# Altium PCB PCB_15122020_01BC.PcbDoc (part 9 of 9)
Units mm, origin at the board's own origin, x right, y up, seen from the top; angles counter-clockwise.
Board outline 207.9 x 131.1 mm, 4 copper layers (Top Layer, Layer 1, Layer 2, Bottom Layer), stack 1.57 mm thick; 684 components, 706 nets, 2796 pads, 1697 vias.
Unrouted connection lines stored in the file: 3.
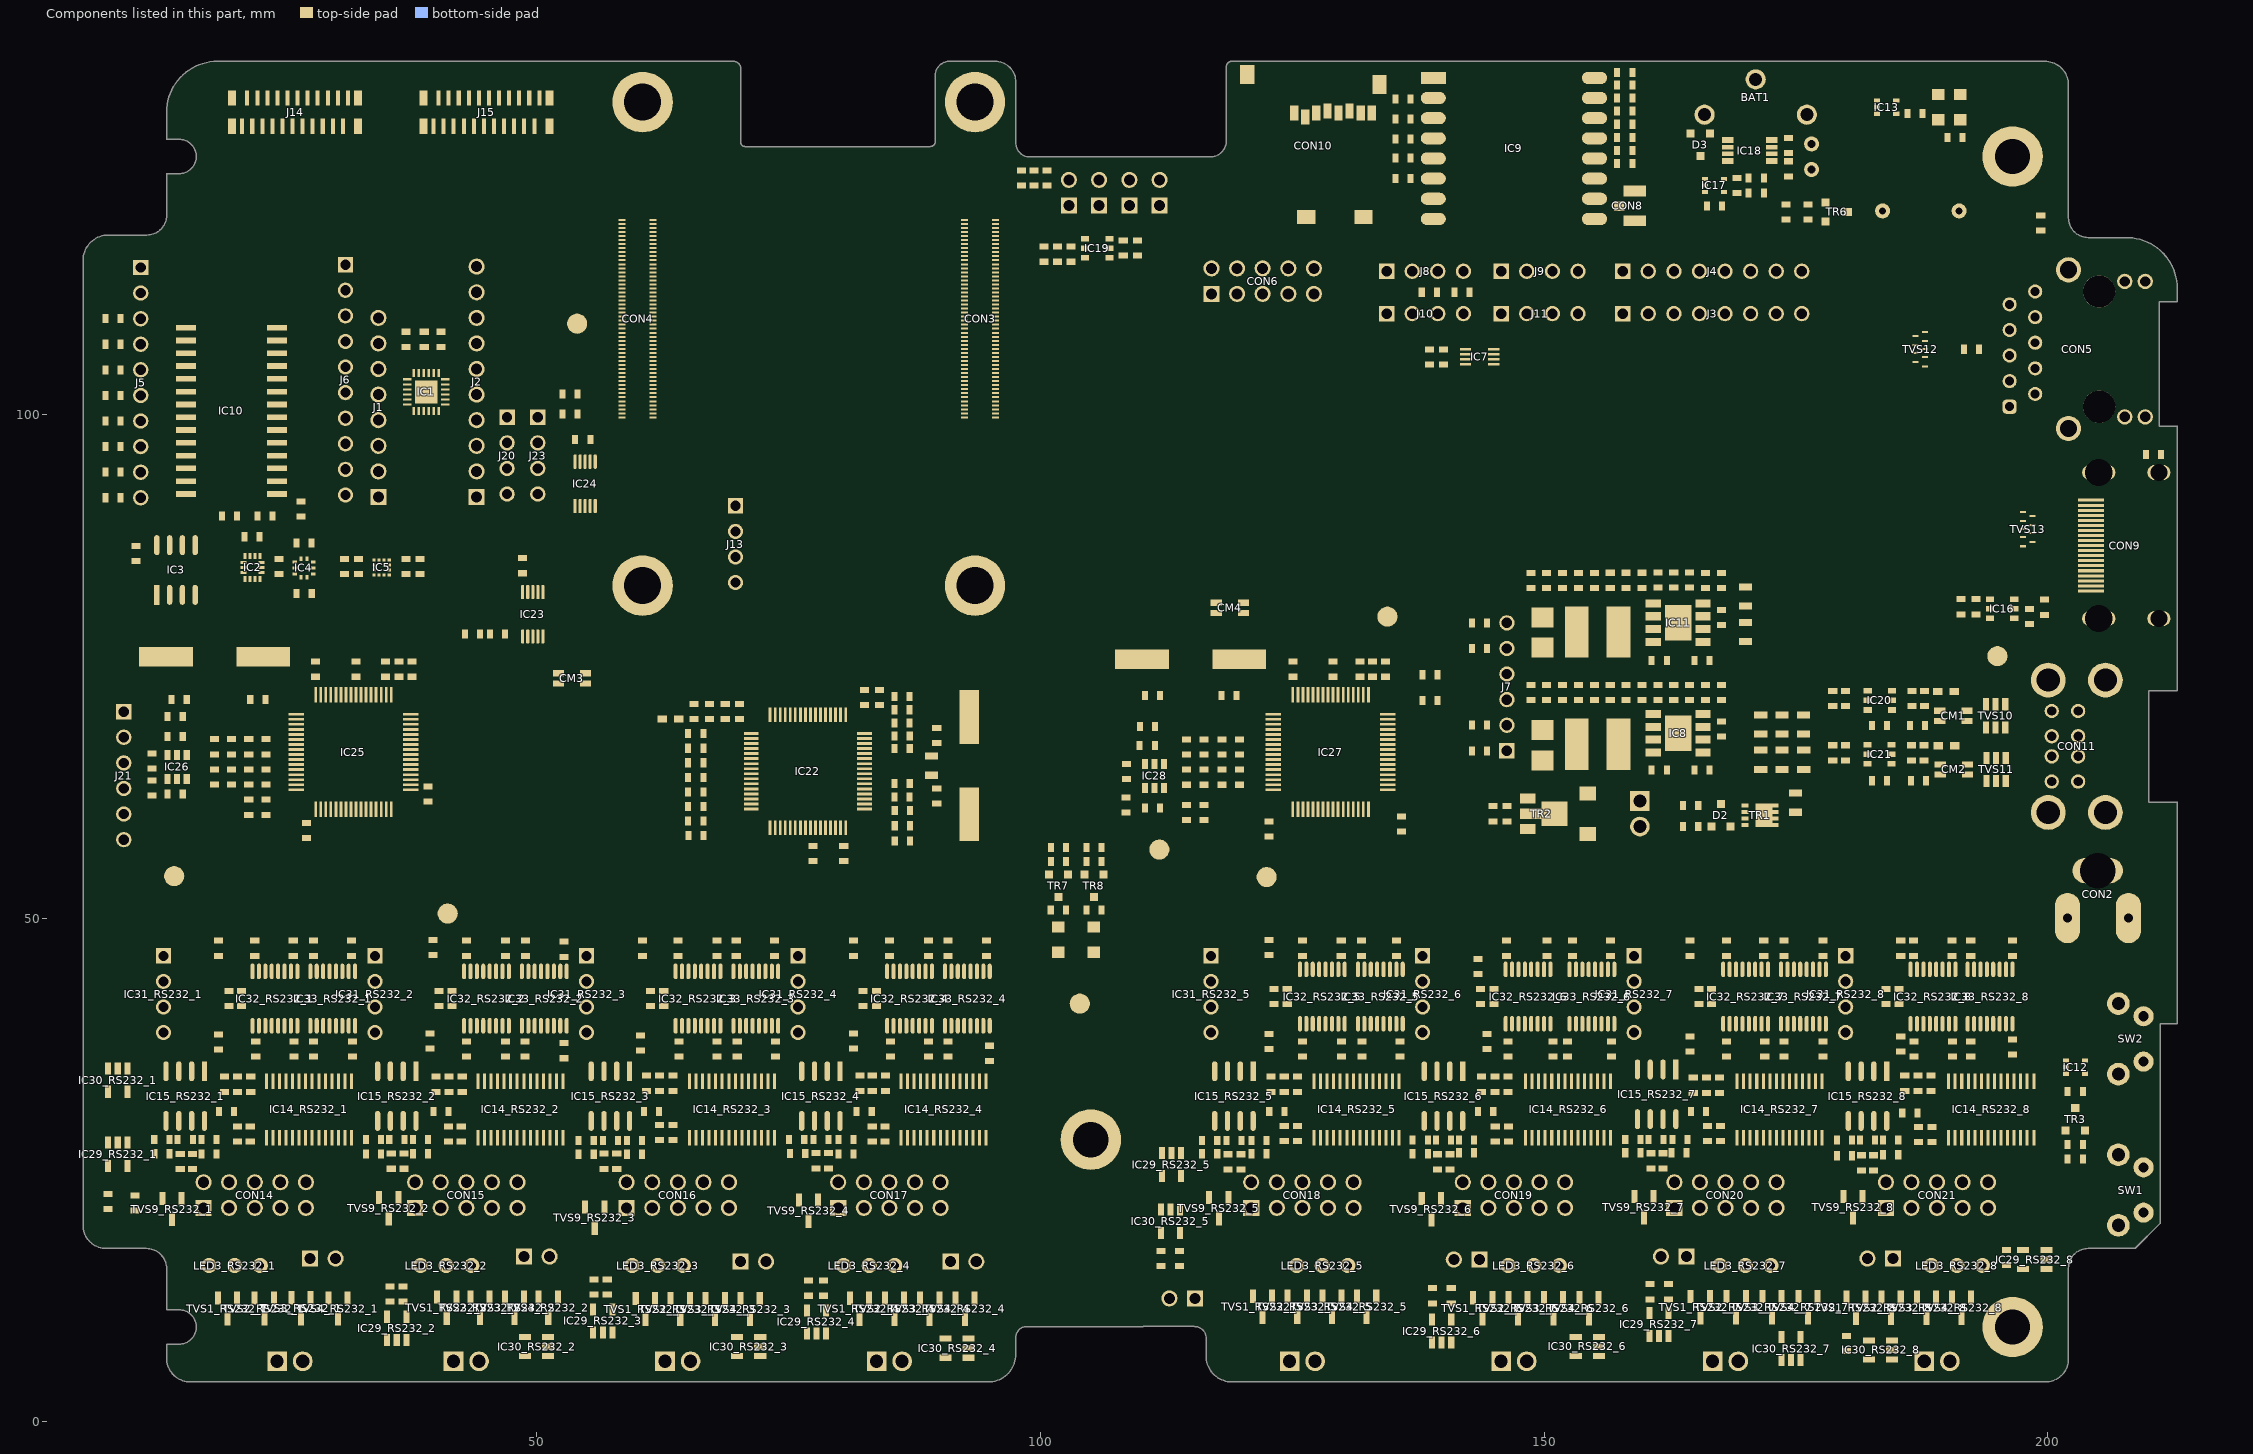
[diagram p11: the components of this part, seen from the top]

## Polygon pours and split planes (outlines as drawn)
GND on Top Layer "Top Layer-GND" (solid, pour order 105): 111 vertices, not listed, extent 4.95,17.2 213.051,135.051
RS232_GND_RS232_3 on Top Layer "Top Layer-RS232_GND_RS232_3" (solid, pour order 103): 54.115,2.253 54.115,41.526 74.056,41.526 74.056,2.252 55.518,2.25
RS232_GND_RS232_2 on Top Layer "Top Layer-RS232_GND_RS232_2" (solid, pour order 101): 33.01,2.259 47.5,2.259 53.11,2.263 53.11,41.503 33.008,41.503
RS232_GND_RS232_1 on Top Layer "RS232_GND_RS232_1_L01_P099" (solid, pour order 99): 21 vertices, not listed, extent 4.95,0.95 32.013,41.541
RS232_GND_RS232_8 on Top Layer "RS232_GND_RS232_8_L01_P097" (solid, pour order 97): 178.977,1.006 178.977,41.724 197.475,41.724 197.736,41.463 197.736,36.873 200.087,34.522 200.087,21.942 202,20.029 202,4.925 cw(c198.075,4.925) 198.075,1
RS232_GND_RS232_7 on Top Layer "RS232_GND_RS232_7_L01_P095" (solid, pour order 95): 158.055,2.249 163.5,2.249 177.97,2.249 177.976,41.743 158.055,41.743
RS232_GND_RS232_6 on Top Layer "Top Layer-RS232_GND_RS232_6" (solid, pour order 93): 137.015,2.249 155.4,2.249 156.972,2.25 156.972,41.743 137.023,41.743
RS232_GND_RS232_5 on Top Layer "RS232_GND_RS232_5_L01_P091" (solid, pour order 91): 110.181,9.502 110.181,41.762 135.973,41.762 135.973,1.009 120.814,1 cw(c120.845,5.345) 116.5,5.375 116.5,8.3 ccw(c115.3,8.3) 115.3,9.5
RS232_GND_RS232_4 on Top Layer "Top Layer-RS232_GND_RS232_4" (solid, pour order 74): 75,0.952 93.096,0.952 ccw(c93.113,0.999) 93.113,0.949 ccw(c93.113,5.387) 97.551,5.387 97.551,8.35 97.55,41.51 75,41.51
POWER_GND on Top Layer "POWER_GND" (solid, remove dead copper, pour order 56): 168.807,57.477 177,57.477 177,85.045 171.255,85.045 144.92,85.045 143.95,84.075 143.95,57.477
LORA_GND on Top Layer "LORA_GND_L01_P065" (solid, pour order 65): 134.882,121.595 137.729,118.748 160.339,118.748 160.339,134.753 134.882,134.753
+3V3 on Top Layer "+3V3_L01_P014" (solid, pour order 14): 134.3,48.281 136.097,48.281 137.178,47.2 145.493,47.2 145.493,49.391 137.735,49.4 135.646,51.489 134.305,51.489
+5V on Top Layer "Top Layer-+3V3" (solid, pour order 60): 140.4,66 143.2,66 143.2,69.759 140.4,69.759
+5V on Top Layer "Top Layer-+3V3" (solid, pour order 61): 97.832,114.8 97.832,117 94.7,117 94.7,114.8
POWER_+3V3 on Top Layer "Top Layer-POWER_+3V3" (solid, pour order 22): 23 vertices, not listed, extent 139.1,70.87 155.5,83.077
+3V3 on Top Layer "Top Layer-+3V3" (solid, pour order 58): 135.458,70.65 138.2,70.65 138.2,75.262 135.458,75.262
POWER_+12V on Top Layer "Top Layer-POWER_+12V 1" (solid, pour order 54): 37 vertices, not listed, extent 165,59.647 176.585,81.32
POWER_+5V on Top Layer "Top Layer-POWER_+5V" (solid, pour order 52): 144,66.05 147.325,66.05 148.9,67.625 150.875,67.625 152.285,66.215 154.4,66.215 154.4,69.95 155.5,71.05 155.5,71.94 148.592,71.94 147.417,70.022 144,70.022
NetIC8_8 on Top Layer "Top Layer-NetIC8_8" (solid, pour order 34): 156.188,64.717 158.501,64.717 158.988,64.23 161.55,64.23 161.55,66.75 161.5,66.8 159.9,66.8 159.1,67.6 159.1,69.4 158.7,69.8 156.188,69.8 156.188,64.687 156.2,64.675
NetIC11_8 on Top Layer "NETIC11_8_L01_P024" (solid, pour order 24): 156.188,80.975 156.188,75.9 156.95,75.139 160.913,75.139 160.913,77.588 160.7,77.8 159.6,77.8 158.843,78.557 158.843,80.9 158.768,80.975
GND on Bottom Layer "Top Layer-GND" (solid, pour order 70): 111 vertices, not listed, extent 4.95,17.2 213.051,135.051
RS232_GND_RS232_4 on Bottom Layer "Top Layer-RS232_GND_RS232_4" (solid, pour order 89): 75,0.952 93.096,0.952 ccw(c93.113,0.999) 93.113,0.949 ccw(c93.113,5.387) 97.551,5.387 97.551,8.35 97.55,41.51 75,41.51
no net on Bottom Layer "Top Layer-RS232_GND_RS232_3" (solid, pour order 85): 54.115,2.253 54.115,41.526 74.056,41.526 74.056,2.252 55.518,2.25
RS232_GND_RS232_8 on Bottom Layer "RS232_GND_RS232_8_L04_P079" (solid, pour order 79): 178.977,1.006 178.977,41.724 197.475,41.724 197.736,41.463 197.736,36.873 200.087,34.522 200.087,21.942 202,20.029 202,4.925 cw(c198.075,4.925) 198.075,1
RS232_GND_RS232_7 on Bottom Layer "RS232_GND_RS232_7_L04_P077" (solid, pour order 77): 158.055,2.249 163.5,2.249 177.97,2.249 177.976,41.743 158.055,41.743
RS232_GND_RS232_6 on Bottom Layer "Top Layer-RS232_GND_RS232_6" (solid, pour order 76): 137.015,2.25 155.4,2.25 156.972,2.25 156.972,41.743 137.023,41.743
RS232_GND_RS232_5 on Bottom Layer "RS232_GND_RS232_5_L04_P075" (solid, pour order 75): 110.181,9.502 110.181,41.762 135.973,41.762 135.973,1.009 120.814,1 cw(c120.845,5.345) 116.5,5.375 116.5,8.3 ccw(c115.3,8.3) 115.3,9.5
RS232_GND_RS232_2 on Bottom Layer "Top Layer-RS232_GND_RS232_2" (solid, pour order 72): 33.01,2.269 47.5,2.269 53.11,2.273 53.11,41.503 33.008,41.503
RS232_GND_RS232_1 on Bottom Layer "RS232_GND_RS232_1_L04_P071" (solid, pour order 71): 21 vertices, not listed, extent 4.95,0.95 32.013,41.541
POWER_GND on Bottom Layer "Bottom Layer-POWER_GND" (solid, remove dead copper, pour order 2): 168.807,57.477 177,57.477 177,85.045 171.255,85.045 144.92,85.045 143.95,84.075 143.95,57.477
LORA_GND on Bottom Layer "LORA_GND_L04_P018" (solid, pour order 18): 134.882,121.591 137.729,118.744 160.339,118.744 160.339,134.748 134.882,134.748
RS232_GND_RS232_1 on Layer 1 (split plane): 106 vertices, not listed, extent 5.459,4.459 31.998,41.99
RS232_GND_RS232_4 on Layer 1 (split plane): 46 vertices, not listed, extent 75.002,4.458 97.048,41.99
RS232_GND_RS232_2 on Layer 1 (split plane): 17 vertices, not listed, extent 33.002,4.46 53.098,41.99
RS232_GND_RS232_3 on Layer 1 (split plane): 17 vertices, not listed, extent 54.102,4.46 73.998,41.99
RS232_GND_RS232_5 on Layer 1 (split plane): 64 vertices, not listed, extent 110.702,4.46 135.998,41.946
GND on Layer 1 (split plane): 462 vertices, not listed, extent 5.459,9.843 212.342,134.542
RS232_GND_RS232_6 on Layer 1 (split plane): 19 vertices, not listed, extent 137.002,4.46 156.998,41.946
RS232_GND_RS232_8 on Layer 1 (split plane): 46 vertices, not listed, extent 179.002,4.459 201.548,41.946
RS232_GND_RS232_7 on Layer 1 (split plane): 177.998,23.6 177.998,4.46 158.002,4.46 158.002,20.5 158.002,41.946 177.998,41.946
no net on Layer 1 (split plane): 115.322,9.959 115.306,9.96
LORA_GND on Layer 1 (split plane): 160.575,118.451 134.839,118.451 134.839,134.54 160.575,134.54
POWER_GND on Layer 1 (split plane): 176.498,57.927 144.452,57.927 144.452,83.917 145.258,84.723 176.498,84.723
no net on Layer 1 (split plane): 207.999,117.037 207.972,117.04
RS232_+5V_RS232_2 on Layer 2 (split plane): 17 vertices, not listed, extent 33.002,4.46 53.098,41.99
RS232_+5V_RS232_1 on Layer 2 (split plane): 106 vertices, not listed, extent 5.459,4.459 31.998,41.99
RS232_+5V_RS232_4 on Layer 2 (split plane): 46 vertices, not listed, extent 75.002,4.458 97.048,41.99
RS232_+5V_RS232_3 on Layer 2 (split plane): 17 vertices, not listed, extent 54.102,4.46 73.998,41.99
RS232_+5V_RS232_5 on Layer 2 (split plane): 62 vertices, not listed, extent 110.702,4.46 135.998,41.941
GND on Layer 2 (split plane): 328 vertices, not listed, extent 13.078,55.352 135.251,134.542
+3V3 on Layer 2 (split plane): 117 vertices, not listed, extent 5.459,45.252 138.448,117.548
+5V on Layer 2 (split plane): 100 vertices, not listed, extent 5.46,9.843 182.012,117.948
no net on Layer 2 (split plane): 115.322,9.959 115.306,9.96
RS232_+5V_RS232_6 on Layer 2 (split plane): 17 vertices, not listed, extent 137.002,4.46 156.998,41.941
RS232_+5V_RS232_8 on Layer 2 (split plane): 44 vertices, not listed, extent 179.002,4.459 201.548,41.941
RS232_+5V_RS232_7 on Layer 2 (split plane): 177.998,4.46 158.002,4.46 158.002,41.941 177.998,41.941
POWER_GND on Layer 2 (split plane): 176.498,84.517 176.498,57.927 144.452,57.927 144.452,83.917 145.258,84.723 176.292,84.723
LORA_GND on Layer 2 (split plane): 160.584,118.452 134.814,118.452 134.814,134.54 160.584,134.54
no net on Layer 2 (split plane): 207.999,117.037 207.972,117.04
+3V3 on Layer 2 (split plane): 96 vertices, not listed, extent 122.402,17.237 210.632,121.548
GND on Layer 2 (split plane): 155 vertices, not listed, extent 161.088,37.487 212.342,134.541

## Keep-outs
Keep-Out Layer:
  lines w0.1: 13.3,11.175 13.3,15.2 ccw(c11.25,15.2) 11.25,17.25 7.25,17.25 cw(c7.25,19.5) 5,19.5 5,41.845 5,115.275 cw(c7.475,115.275) 7.475,117.75 11.3,117.75 ccw(c11.3,119.75) 13.3,119.75 13.3,123.85 14.5,123.85 ccw(c14.5,125.6) 14.5,127.35 13.3,127.35 13.3,130 cw(c18.3,130) 18.3,135 69.5,135 cw(c69.5,134.3) 70.2,134.3 70.2,127 ccw(c70.66,127) 70.66,126.54 89.075,126.54 ccw(c89.075,127.065) 89.6,127.065 89.6,133.625 cw(c90.975,133.625) 90.975,135 95.5,135 cw(c95.5,133) 97.5,133 97.5,126.945 ccw(c98.945,126.945) 98.945,125.5 116.85,125.5 ccw(c116.85,127.15) 118.5,127.15 118.5,134.5 cw(c119,134.5) 119,135 199.7,135 cw(c199.7,132.7) 202,132.7 202,119.93 202,119.5 ccw(c204,119.5) 204,117.5 205.225,117.5 208,117.5 ; 13.325,11.15 14.5,11.15 cw(c14.5,9.4) 14.5,7.65 13.325,7.65 13.3,7.625 13.3,6.3 ccw(c15.6,6.3) 15.6,4 32.526,4 ; 32.528,4 47.5,4 ; 47.504,4 53.597,4 55.496,4 ; 55.5,4 74.455,4 ; 74.457,4 94.813,4 ; 94.813,3.999 ccw(c94.813,6.687) 97.5,6.687 97.5,8.34 ; 97.5,8.35 cw(c98.65,8.35) 98.65,9.5 110.179,9.5 110.181,9.502 115.298,9.502 ; 115.3,9.5 cw(c115.3,8.3) 116.5,8.3 ; 116.5,8.375 116.487,6.537 ccw(c119.006,6.519) 118.989,4 ; 119.006,4 136.47,4 155.4,4 157.458,4 163.5,4 178.467,4 ; 178.473,4 199.775,4 ccw(c199.775,6.225) 202,6.225 ; 202,7.925 202,6.225 ; 207.8,117.5 cw(c207.8,112.5) 212.8,112.5 212.8,111.225 211,111.225 211,98.783 212.8,98.783 212.8,72.617 209.967,72.617 209.967,61.458 212.8,61.458 212.8,39.567 211.092,39.567 211.092,19.7 208.642,17.25 205,17.25 204,17.25 ccw(c204,15.25) 202,15.25 202,6.225

## Other copper
Top Layer:
  pour cut-out: 199.885,56.419 207.59,56.419 209.802,56.419 209.802,46.889 209.011,46.889 199.885,46.889 199.885,48.241
Bottom Layer:
  pour cut-out: 199.887,56.423 207.592,56.423 209.804,56.423 209.804,46.893 209.014,46.893 199.887,46.893 199.887,48.245
Layer 2 (plane layer: these items are gaps in the copper):
  lines w0.2: 93.6,118.098 93.702,118.2 ; 113.698,108.627 113.8,108.525 ; 176.925,57.425 177,57.5
  lines w0.5: 4.95,66.7 10.3,66.7 10.3,46.2 11.5,45 135.8,45 135.8,54.4 135.8,67.875 138.7,70.775 138.7,75 137.4,76.3 127.3,76.3 121,70 109.8,70 106.45,66.65 106.45,55.1 89.05,55.1 ; 10.3,117.8 42.9,117.8 ; 43.8,116.9 50.7,110 51.4,109.3 51.4,103.425 49,101.025 49,92.7 49,92.575 49,85.1 40.45,76.55 40.45,55.3 61.3,55.3 61.3,70.7 62.509,71.909 80.7,71.909 83.394,74.603 88.145,74.603 89.05,73.698 89.05,71.909 89.05,55.15 ; 44.5,116.2 42.9,117.8 ; 93.6,118.098 93.6,116.9 93.6,114.075 98.085,114.075 115.28,96.88 ; 93.702,118.2 100.2,118.2 104.125,118.2 104.804,117.521 113.698,108.627 ; 113.8,108.525 174.075,108.525 182.225,100.375 182.225,54.4 143.7,54.4 143.7,45 182.264,45 182.264,42.479 ; 115.2,96.96 135.8,76.36 ; 122.15,108.525 122.15,118.2 155.9,118.2 163.6,118.2 180.035,118.2 180.062,118.173 ; 134.562,118.207 134.562,135.044 ; 160.836,118.203 160.836,135.044 ; 180.135,118.235 183.7,121.8 185.825,121.8 185.825,121.075 185.825,60.2 185.825,59.65 192.35,53.125 196.575,48.9 200.04,45.435 200.04,42.694 205.5,37.234 211.108,37.234 ; 42.9,117.8 42.9,117.8
  lines w1: 4.95,42.492 32.5,42.492 ; 32.5,4 32.5,42.492 ; 53.6,4 53.6,42.492 ; 74.5,4 74.5,42.492 ; 97.551,8.35 97.551,42.443 ; 97.551,42.492 32.5,42.492 ; 110.2,9.45 110.2,42.443 196.757,42.443 197.75,41.45 197.75,36.85 200.1,34.5 200.1,21.9 202.05,19.95 202.05,14.3 ; 136.5,4 136.5,42.443 ; 157.5,4 157.5,42.443 ; 176.925,57.425 143.95,57.425 143.95,84.125 145.05,85.225 176.5,85.225 177,84.725 177,57.5 ; 178.5,4 178.5,42.443
Layer 1 (plane layer: these items are gaps in the copper):
  lines w0.1: 176.5,85.225 177,84.725 ; 176.925,57.425 177,57.5
  lines w0.5: 134.587,135.078 134.587,118.199 160.827,118.199 160.827,135.052
  lines w1: 4.95,42.492 32.5,42.492 32.5,4 ; 32.4,42.492 97.507,42.492 97.551,42.449 97.551,8.35 ; 53.6,4 53.6,42.492 ; 74.5,4 74.5,42.492 ; 110.2,9.5 110.2,39.7 110.2,42.449 110.298,42.449 196.751,42.449 197.75,41.45 197.75,36.85 200.1,34.5 200.1,21.9 201.1,20.9 202.05,19.95 202.05,14 ; 136.5,4 136.5,24.8 136.5,42.349 ; 157.5,4 157.5,20.5 157.5,42.449 ; 176.5,85.225 145.05,85.225 143.95,84.125 143.95,57.425 176.925,57.425 ; 177,57.5 177,84.725 ; 178.5,4 178.5,23.6 178.5,42.449

## Silkscreen, mask and mechanical layers (free items; w line width, h text height)
Top Overlay:
  lines w0.2: 195.371,129.524 cw(c195.371,131.524) 195.371,133.524 ; 196.842,129.524 196.842,133.524 ; 199.049,129.524 cw(c199.049,131.524) 199.049,133.524
  text "SPI_1" at 163.337,116.2 h1.2
  text "I2C_5V" at 132.8,116 h1.2
  text "I2C_5V" at 144.1,116 h1.2
  text "GPIO_A" at 27.798,109.7 h1.2 r90
  text "GPIO_B" at 13.775,109.4 h1.2 r90
  text "KEYPAD" at 40,109.2 h1.2 r90
  text "I2C_3V3" at 144.153,107.102 h1.2
  text "I2C_3V3" at 132.813,107.069 h1.2
  text "SPI_2" at 163.688,106.96 h1.2
  text "USB DEV" at 50.8,102.286 h1.2 r90
  text "UART_DBG" at 47.6,102.156 h1.2 r90
  text "POWER" at 144.1,70.15 h1.2 r90
  text "USB EXPANDER" at 7.1,57 h1.2 r90
  text "LED_2" at 108.9,46.077 h1.2 r90
  text "LED_1" at 99.4,46 h1.2 r90
StackUp:
  drawing of 417 lines, arcs and shapes, not listed
  text "Layer" at 226.266,33.614 h1.52
  text "Name" at 236.678,33.614 h1.52
  text "Material" at 260.294,33.614 h1.52
  text "Thickness" at 282.132,33.614 h1.52
  text "Constant" at 298.637,33.614 h1.52
  text "JLC7628" at 313.112,33.614 h1.52
  text "Board Layer Stack" at 326.825,33.614 h1.52
  text "Top Overlay" at 236.678,30.566 h1.52
  text "Top Solder" at 236.678,27.518 h1.52
  text "Solder Resist" at 260.294,27.518 h1.52
  text "0.020mm" at 282.132,27.518 h1.52
  text "3.8" at 298.637,27.518 h1.52
  text "1" at 226.266,24.47 h1.52
  text "Top Layer" at 236.678,24.47 h1.52
  text "CF-004" at 260.294,24.47 h1.52
  text "0.035mm" at 282.132,24.47 h1.52
  text "Dielectric1" at 236.678,21.422 h1.52
  text "PP-006" at 260.294,21.422 h1.52
  text "0.200mm" at 282.132,21.422 h1.52
  text "4.6" at 298.637,21.422 h1.52
  text "2" at 226.266,18.374 h1.52
  text "Layer 1" at 236.678,18.374 h1.52
  text "CF-004" at 260.294,18.374 h1.52
  text "0.018mm" at 282.132,18.374 h1.52
  text "Dielectric 1" at 236.678,15.326 h1.52
  text "Core-009" at 260.294,15.326 h1.52
  text "1.065mm" at 282.132,15.326 h1.52
  text "4.5" at 298.637,15.326 h1.52
  text "3" at 226.266,12.278 h1.52
  text "Layer 2" at 236.678,12.278 h1.52
  text "CF-003" at 260.294,12.278 h1.52
  text "0.018mm" at 282.132,12.278 h1.52
  text "Dielectric2" at 236.678,9.23 h1.52
  text "PP-006" at 260.294,9.23 h1.52
  text "0.200mm" at 282.132,9.23 h1.52
  text "4.6" at 298.637,9.23 h1.52
  text "4" at 226.266,6.182 h1.52
  text "Bottom Layer" at 236.678,6.182 h1.52
  text "CF-004" at 260.294,6.182 h1.52
  text "0.035mm" at 282.132,6.182 h1.52
  text "Bottom Solder" at 236.678,3.134 h1.52
  text "Solder Resist" at 260.294,3.134 h1.52
  text "0.020mm" at 282.132,3.134 h1.52
  text "3.8" at 298.637,3.134 h1.52
  text "Bottom Overlay" at 236.678,0.086 h1.52
TopÞekil:
  circle w0.1: c45.063,17.45 r1.75
  circle w0.1: c155.55,17.45 r1.75
  circle w0.1: c188.65,48 r1.75
  circle w0.1: c196.5,9.4 r1.75
  circle w0.1: c196.5,125.6 r1.75
  circle w0.1: c188.65,87 r1.75
  circle w0.1: c155.55,117.55 r1.75
  circle w0.1: c55.45,117.55 r1.75
  circle w0.1: c22.35,87 r1.75
  lines w0.1: 13.3,11.175 13.3,15.2 ccw(c11.25,15.2) 11.25,17.25 7.25,17.25 cw(c7.25,19.5) 5,19.5 5,41.845 5,115.275 cw(c7.475,115.275) 7.475,117.75 11.3,117.75 ccw(c11.3,119.75) 13.3,119.75 13.3,123.85 14.5,123.85 ccw(c14.5,125.6) 14.5,127.35 13.3,127.35 13.3,130 cw(c18.3,130) 18.3,135 69.5,135 cw(c69.5,134.3) 70.2,134.3 70.2,127 ccw(c70.66,127) 70.66,126.54 89.075,126.54 ccw(c89.075,127.065) 89.6,127.065 89.6,133.625 cw(c90.975,133.625) 90.975,135 95.5,135 cw(c95.5,133) 97.5,133 97.5,126.945 ccw(c98.945,126.945) 98.945,125.5 116.85,125.5 ccw(c116.85,127.15) 118.5,127.15 118.5,134.5 cw(c119,134.5) 119,135 199.7,135 cw(c199.7,132.7) 202,132.7 202,119.93 202,119.5 ccw(c204,119.5) 204,117.5 205.225,117.5 208,117.5 ; 13.325,11.15 14.5,11.15 cw(c14.5,9.4) 14.5,7.65 13.325,7.65 13.3,7.625 13.3,6.3 ccw(c15.6,6.3) 15.6,4 32.526,4 ; 32.528,4 47.5,4 ; 47.504,4 53.597,4 55.496,4 ; 55.5,4 74.455,4 ; 74.457,4 94.813,4 ; 94.813,3.999 ccw(c94.813,6.687) 97.5,6.687 97.5,8.34 ; 97.5,8.35 cw(c98.65,8.35) 98.65,9.5 110.179,9.5 110.181,9.502 115.298,9.502 ; 115.3,9.5 cw(c115.3,8.3) 116.5,8.3 ; 116.5,8.375 116.487,6.537 ccw(c119.006,6.519) 118.989,4 ; 119.006,4 136.47,4 155.4,4 157.458,4 163.5,4 178.467,4 ; 178.473,4 199.775,4 ccw(c199.775,6.225) 202,6.225 ; 202,7.925 202,6.225 ; 207.8,117.5 cw(c207.8,112.5) 212.8,112.5 212.8,111.225 211,111.225 211,98.783 212.8,98.783 212.8,72.617 209.967,72.617 209.967,61.458 212.8,61.458 212.8,39.567 211.092,39.567 211.092,19.7 208.642,17.25 205,17.25 204,17.25 ccw(c204,15.25) 202,15.25 202,6.225 ; 216,16.75 216,117.25
Drill Drawing:
  drawing of 186 lines, arcs and shapes, not listed
  text "Symbol" at 226.845,121.91 h1.83
  text "Count" at 239.694,121.91 h1.83
  text "Hole Size" at 256.454,121.91 h1.83
  text "Plated" at 285.655,121.91 h1.83
  text "Hole Type" at 298.505,121.91 h1.83
  text "Via/Pad" at 317.143,121.91 h1.83
  text "Pad Shape" at 332.125,121.91 h1.83
  text "Hole Length" at 351.069,121.91 h1.83
  text "Routed Path Length" at 380.27,121.91 h1.83
  text "1697" at 239.694,118.1 h1.52
  text "0.200mm (7.87mil)" at 256.454,118.1 h1.52
  text "PTH" at 285.655,118.1 h1.52
  text "Round" at 298.505,118.1 h1.52
  text "Via" at 317.143,118.1 h1.52
  text "Rounded" at 332.125,118.1 h1.52
  text "-" at 351.069,118.1 h1.52
  text "-" at 380.27,118.1 h1.52
  text "2" at 239.694,114.29 h1.52
  text "0.700mm (27.56mil)" at 256.454,114.29 h1.52
  text "PTH" at 285.655,114.29 h1.52
  text "Round" at 298.505,114.29 h1.52
  text "Pad" at 317.143,114.29 h1.52
  text "Rounded" at 332.125,114.29 h1.52
  text "-" at 351.069,114.29 h1.52
  text "-" at 380.27,114.29 h1.52
  text "26" at 239.694,110.48 h1.52
  text "0.800mm (31.50mil)" at 256.454,110.48 h1.52
  text "PTH" at 285.655,110.48 h1.52
  text "Round" at 298.505,110.48 h1.52
  text "Pad" at 317.143,110.48 h1.52
  text "Rounded" at 332.125,110.48 h1.52
  text "-" at 351.069,110.48 h1.52
  text "-" at 380.27,110.48 h1.52
  text "10" at 239.694,106.67 h1.52
  text "0.890mm (35.04mil)" at 256.454,106.67 h1.52
  text "PTH" at 285.655,106.67 h1.52
  text "Round" at 298.505,106.67 h1.52
  text "Pad" at 317.143,106.67 h1.52
  text "(Mixed)" at 332.125,106.67 h1.52
  text "-" at 351.069,106.67 h1.52
  text "-" at 380.27,106.67 h1.52
  text "2" at 239.694,102.86 h1.52
  text "0.900mm (35.43mil)" at 256.454,102.86 h1.52
  text "PTH" at 285.655,102.86 h1.52
  text "Slot" at 298.505,102.86 h1.52
  text "Pad" at 317.143,102.86 h1.52
  text "Rounded" at 332.125,102.86 h1.52
  text "3.500mm (137.79mil)" at 351.069,102.86 h1.52
  text "2.600mm (102.36mil)" at 380.27,102.86 h1.52
  text "8" at 239.694,99.05 h1.52
  text "0.920mm (36.22mil)" at 256.454,99.05 h1.52
  text "PTH" at 285.655,99.05 h1.52
  text "Round" at 298.505,99.05 h1.52
  text "Pad" at 317.143,99.05 h1.52
  text "Rounded" at 332.125,99.05 h1.52
  text "-" at 351.069,99.05 h1.52
  text "-" at 380.27,99.05 h1.52
  text "32" at 239.694,95.24 h1.52
  text "1.000mm (39.37mil)" at 256.454,95.24 h1.52
  text "PTH" at 285.655,95.24 h1.52
  text "Round" at 298.505,95.24 h1.52
  text "Pad" at 317.143,95.24 h1.52
  text "(Mixed)" at 332.125,95.24 h1.52
  text "-" at 351.069,95.24 h1.52
  text "-" at 380.27,95.24 h1.52
  text "4" at 239.694,91.43 h1.52
  text "1.000mm (39.37mil)" at 256.454,91.43 h1.52
  text "PTH" at 285.655,91.43 h1.52
  text "Slot" at 298.505,91.43 h1.52
  text "Pad" at 317.143,91.43 h1.52
  text "Rounded" at 332.125,91.43 h1.52
  text "1.000mm (39.37mil)" at 351.069,91.43 h1.52
  text "0.000mm (0.00mil)" at 380.27,91.43 h1.52
  text "C" at 226.106,91.176 h1.69
  text "80" at 239.694,87.62 h1.52
  text "1.020mm (40.16mil)" at 256.454,87.62 h1.52
  text "PTH" at 285.655,87.62 h1.52
  text "Round" at 298.505,87.62 h1.52
  text "Pad" at 317.143,87.62 h1.52
  text "(Mixed)" at 332.125,87.62 h1.52
  text "-" at 351.069,87.62 h1.52
  text "-" at 380.27,87.62 h1.52
  text "132" at 239.694,83.81 h1.52
  text "1.100mm (43.31mil)" at 256.454,83.81 h1.52
  text "PTH" at 285.655,83.81 h1.52
  text "Round" at 298.505,83.81 h1.52
  text "Pad" at 317.143,83.81 h1.52
  text "(Mixed)" at 332.125,83.81 h1.52
  text "-" at 351.069,83.81 h1.52
  text "-" at 380.27,83.81 h1.52
  text "25" at 239.694,80 h1.52
  text "1.300mm (51.18mil)" at 256.454,80 h1.52
  text "PTH" at 285.655,80 h1.52
  text "Round" at 298.505,80 h1.52
  text "Pad" at 317.143,80 h1.52
  text "(Mixed)" at 332.125,80 h1.52
  text "-" at 351.069,80 h1.52
  text "-" at 380.27,80 h1.52
  text "2" at 239.694,76.19 h1.52
  text "1.700mm (66.93mil)" at 256.454,76.19 h1.52
  text "PTH" at 285.655,76.19 h1.52
  text "Round" at 298.505,76.19 h1.52
  text "Pad" at 317.143,76.19 h1.52
  text "Rounded" at 332.125,76.19 h1.52
  text "-" at 351.069,76.19 h1.52
  text "-" at 380.27,76.19 h1.52
  text "A" at 226.106,75.936 h1.69
  text "2" at 239.694,72.38 h1.52
  text "1.700mm (66.93mil)" at 256.454,72.38 h1.52
  text "PTH" at 285.655,72.38 h1.52
  text "Slot" at 298.505,72.38 h1.52
  text "Pad" at 317.143,72.38 h1.52
  text "Rounded" at 332.125,72.38 h1.52
  text "0.700mm (27.56mil)" at 351.069,72.38 h1.52
  text "-1.000mm (-39.37mil)" at 380.27,72.38 h1.52
  text "4" at 239.694,68.57 h1.52
  text "2.300mm (90.55mil)" at 256.454,68.57 h1.52
  text "PTH" at 285.655,68.57 h1.52
  text "Round" at 298.505,68.57 h1.52
  text "Pad" at 317.143,68.57 h1.52
  text "Rounded" at 332.125,68.57 h1.52
  text "-" at 351.069,68.57 h1.52
  text "-" at 380.27,68.57 h1.52
  text "D" at 226.106,68.316 h1.69
  text "2" at 239.694,64.76 h1.52
  text "2.700mm (106.30mil)" at 256.454,64.76 h1.52
  text "PTH" at 285.655,64.76 h1.52
  text "Slot" at 298.505,64.76 h1.52
  text "Pad" at 317.143,64.76 h1.52
  text "Rounded" at 332.125,64.76 h1.52
  text "0.700mm (27.56mil)" at 351.069,64.76 h1.52
  text "-2.000mm (-78.74mil)" at 380.27,64.76 h1.52
  text "2" at 239.694,60.95 h1.52
  text "3.200mm (125.98mil)" at 256.454,60.95 h1.52
  text "NPTH" at 285.655,60.95 h1.52
  text "Round" at 298.505,60.95 h1.52
  text "Pad" at 317.143,60.95 h1.52
  text "Rounded" at 332.125,60.95 h1.52
  text "-" at 351.069,60.95 h1.52
  text "-" at 380.27,60.95 h1.52
  text "B" at 226.106,60.696 h1.69
  text "3" at 239.694,57.14 h1.52
  text "3.500mm (137.79mil)" at 256.454,57.14 h1.52
  text "PTH" at 285.655,57.14 h1.52
  text "Round" at 298.505,57.14 h1.52
  text "Pad" at 317.143,57.14 h1.52
  text "Rounded" at 332.125,57.14 h1.52
  text "-" at 351.069,57.14 h1.52
  text "-" at 380.27,57.14 h1.52
  text "1" at 239.694,53.33 h1.52
  text "3.500mm (137.79mil)" at 256.454,53.33 h1.52
  text "PTH" at 285.655,53.33 h1.52
  text "Slot" at 298.505,53.33 h1.52
  text "Pad" at 317.143,53.33 h1.52
  text "Rounded" at 332.125,53.33 h1.52
  text "0.900mm (35.43mil)" at 351.069,53.33 h1.52
  text "-2.600mm (-102.36mil)" at 380.27,53.33 h1.52
  text "4" at 239.694,49.52 h1.52
  text "3.700mm (145.67mil)" at 256.454,49.52 h1.52
  text "NPTH" at 285.655,49.52 h1.52
  text "Round" at 298.505,49.52 h1.52
  text "Pad" at 317.143,49.52 h1.52
  text "Rounded" at 332.125,49.52 h1.52
  text "-" at 351.069,49.52 h1.52
  text "-" at 380.27,49.52 h1.52
  text "2038 Total" at 239.694,45.71 h1.52
  text "Slot definitions :" at 226.845,42.028 h1.52
  text "Routed Path Length" at 253.076,42.028 h1.52
  text "= Calculated from tool start centre position to tool end centre position." at 281.083,42.028 h1.52
  text "Hole Length" at 253.076,39.488 h1.52
  text "= Routed Path Length + Tool Size = Slot length as defined in the PCB layout" at 270.673,39.488 h1.52
Mechanical 24:
  lines w0.127: -88.67,-6.303 -83.59,-6.303 ; -88.67,64.182 -83.59,64.182 ; -88.67,134.667 -83.59,134.667 ; -83.59,-67.796 299.95,-67.796 ; -83.59,-41.228 -83.59,-71.708 ; -39.394,-76.788 -39.394,-71.708 ; -39.394,200.072 -39.394,205.152 ; 9.755,-76.788 9.755,-71.708 ; 9.755,200.072 9.755,205.152 ; 30.71,-71.708 66.27,-71.708 ; 41.531,11.831 172.264,11.831 ; 41.531,18.678 172.181,18.678 ; 41.531,26.666 172.264,26.666 ; 41.531,34.528 172.265,34.528 ; 41.531,50.393 172.265,50.393 ; 41.531,58.339 172.264,58.339 ; 41.531,65.187 172.181,65.187 ; 41.531,73.175 172.264,73.175 ; 41.531,81.036 172.265,81.036 ; 41.531,88.94 172.265,88.94 ; 41.531,95.872 172.265,95.872 ; 41.531,102.803 172.265,102.803 ; 41.531,109.298 172.214,109.298 ; 41.531,115.863 172.265,115.863 ; 51.167,146.758 51.185,146.775 162.715,146.775 ; 55.803,3.885 55.803,42.541 ; 55.803,42.49 55.803,127.698 ; 58.904,-76.788 58.904,-71.708 ; 58.904,200.072 58.904,205.152 ; 81.266,3.883 81.266,42.541 ; 81.266,42.49 81.266,127.698 ; 88.353,136.166 88.353,158.595 88.368,158.61 ; 108.18,-76.788 108.18,-71.708 ; 108.18,200.072 108.18,205.152 ; 125.554,136.166 125.554,158.61 ; 135.104,3.885 135.104,42.211 135.104,42.516 ; 135.104,42.547 135.104,127.782 ; 157.329,-76.788 157.329,-71.708 ; 157.329,200.072 157.329,205.152 ; 206.478,-76.788 206.478,-71.708 ; 206.478,200.072 206.478,205.152 ; 255.754,-76.788 255.754,-71.708 ; 255.754,200.072 255.754,205.152 ; 299.95,-41.228 299.95,-71.708 ; 299.95,-6.303 305.03,-6.303 ; 299.95,64.182 305.03,64.182 ; 299.95,134.667 305.03,134.667 ; -83.59,-71.708 -83.59,200.072 299.95,200.072 299.95,-71.708 ; -83.59,-71.708 299.95,-71.708 ; 41.531,42.49 41.531,3.885 172.265,3.885 172.265,42.49 ; 41.531,42.49 41.531,127.782 172.265,127.782 172.265,42.49 ; 41.531,42.49 172.265,42.49 ; -88.67,-76.788 -88.67,205.152 305.03,205.152 305.03,-76.788 -88.67,-76.788 ; 51.167,136.166 162.715,136.166 162.715,158.61 51.167,158.61 51.167,136.166
  text "1" at -64.633,201.723 h1.78
  text "2" at -15.594,201.723 h1.78
  text "3" at 33.665,201.723 h1.78
  text "4" at 82.958,201.723 h1.78
  text "5" at 132.234,201.723 h1.78
  text "6" at 181.256,201.723 h1.78
  text "7" at 230.786,201.723 h1.78
  text "8" at 279.808,201.723 h1.78
  text "A" at -86.765,167.738 h1.78
  text "A" at 301.855,167.738 h1.78
  text ".DocumentName" at -24.967,163.827 h4.57
  text "ONAYLAYAN" at 136.475,151.99 h2.03
  text "KONTROL EDEN" at 96.089,151.812 h2.03
  text "HAZIRLAYAN" at 60.174,151.761 h2.03
  text "DONANIM MUHENDISI /  / .pPreparedBy" at 52.97,137.995 h1.52
  text "KALITE KONTROL SORUMLUSU /  / .FO_CheckedBy" at 88.825,137.995 h1.52
  text "PROJE YONETICISI /  / .FO_ApprovedBy" at 127.357,137.995 h1.52
  text "DEGISIKLIK KAYITLARI" at 89.841,128.571 h2.03
  text "Yayin Tarihi" at 57.735,120.9 h2.03
  text "Aciklama" at 100.103,120.9 h2.03
  text "Revize Eden" at 143.638,120.9 h2.03
  text "Rev. / Kodu" at 43.842,119.503 h2.03
  text "+" at 42.927,112.01 h1.52
  text "29.06.2020" at 57.735,112.01 h1.52
  text "ilk yayin" at 82.78,112.01 h1.52
  text "B" at -86.765,97.126 h1.78
  text "B" at 301.855,97.126 h1.78
  text "C" at -86.765,26.514 h1.78
  text "C" at 301.855,26.514 h1.78
  text "Rev kayitlari 01,02,03,... seklinde devam edecektir." at 41.683,1.317 h1.52
  text "D" at -86.765,-43.59 h1.78
  text "D" at 301.982,-43.641 h1.78
  text "1" at -64.633,-75.137 h1.78
  text "2" at -15.594,-75.137 h1.78
  text "3" at 33.665,-75.137 h1.78
  text "4" at 82.958,-75.137 h1.78
  text "5" at 132.234,-75.137 h1.78
  text "6" at 181.256,-75.137 h1.78
  text "7" at 230.786,-75.137 h1.78
  text "8" at 279.808,-75.137 h1.78
Mechanical 25:
  rectangle: -82.041,-43.793 -75.919,-42.726
  lines w0.127: -75.233,-42.038 -75.208,-42.013
  lines w0.254: -82.643,-44.578 -75.233,-44.578 -75.233,-42.038 -82.643,-42.038 -82.643,-44.578
  text "Yesil ile tarali alanlar; araldite uygulanmasi gereken alanlardir." at -73.506,-44.251 h1.52
Mechanical 26:
  region: 298.4,-42.726 292.279,-42.726 292.279,-43.793 298.4,-43.793
  lines w0.127: 291.568,-42.013 291.593,-42.038
  lines w0.254: 291.593,-44.578 291.593,-42.038 299.002,-42.038 299.002,-44.578 291.593,-44.578
  text "Yesil ile tarali alanlar; araldite uygulanmasi gereken alanlardir." at 289.866,-44.251 h1.52
Mechanical 27:
  lines w0.042: 190.73,-65.222 299.935,-65.222 ; 190.73,-62.686 299.935,-62.686 ; 190.73,-60.15 256.787,-60.15 299.899,-60.15 ; 200.893,-67.758 200.893,-60.15 ; 223.758,-67.758 223.758,-47.471 ; 223.758,-57.614 299.935,-57.614 ; 223.758,-52.542 299.935,-52.542 ; 233.921,-67.758 233.921,-57.614 ; 256.787,-67.758 256.787,-52.542 ; 275.799,-67.758 275.799,-57.614 ; 190.73,-47.471 299.935,-47.471 190.73,-47.471 ; 190.73,-47.471 190.73,-67.758 190.73,-47.471
  lines w0.127: -88.67,-6.303 -83.59,-6.303 ; -88.67,64.182 -83.59,64.182 ; -88.67,134.667 -83.59,134.667 ; -83.59,-67.796 299.95,-67.796 ; -83.59,-41.228 -83.59,-71.708 ; -75.233,-55.628 -75.208,-55.603 ; -39.394,-76.788 -39.394,-71.708 ; -39.394,200.072 -39.394,205.152 ; 9.755,-76.788 9.755,-71.708 ; 9.755,200.072 9.755,205.152 ; 30.71,-71.708 66.27,-71.708 ; 58.904,-76.788 58.904,-71.708 ; 58.904,200.072 58.904,205.152 ; 108.18,-76.788 108.18,-71.708 ; 108.18,200.072 108.18,205.152 ; 157.329,-76.788 157.329,-71.708 ; 157.329,200.072 157.329,205.152 ; 206.478,-76.788 206.478,-71.708 ; 206.478,200.072 206.478,205.152 ; 255.754,-76.788 255.754,-71.708 ; 255.754,200.072 255.754,205.152 ; 299.95,-6.303 305.03,-6.303 ; 299.95,64.182 305.03,64.182 ; 299.95,134.667 305.03,134.667 ; -83.59,-71.708 299.95,-71.708 299.95,200.072 -83.59,200.072 -83.59,-71.708 ; -88.67,-76.788 305.03,-76.788 305.03,205.152 -88.67,205.152 -88.67,-76.788
  lines w0.254: -82.643,-62.69 -82.643,-60.15 -75.233,-60.15 -75.233,-62.69 -82.643,-62.69 ; -82.643,-58.168 -82.643,-55.628 -75.233,-55.628 -75.233,-58.168 -82.643,-58.168
  text "1" at -64.633,201.723 h1.78
  text "2" at -15.594,201.723 h1.78
  text "3" at 33.665,201.723 h1.78
  text "4" at 82.958,201.723 h1.78
  text "5" at 132.234,201.723 h1.78
  text "6" at 181.256,201.723 h1.78
  text "7" at 230.786,201.723 h1.78
  text "8" at 279.808,201.723 h1.78
  text "A" at -86.765,167.738 h1.78
  text "A" at 301.855,167.738 h1.78
  text "B" at -86.765,97.126 h1.78
  text "B" at 301.855,97.126 h1.78
  text "C" at -86.765,26.514 h1.78
  text "C" at 301.855,26.514 h1.78
  text "D" at -86.765,-43.59 h1.78
  text "D" at 301.982,-43.641 h1.78
  text ".pPBADescription" at 224.131,-51.439 h3.81
  text ".DocumentName" at 225.782,-55.63 h1.52
  text "FO_.pDocumentNumber _.VariantName" at 257.278,-56.011 h2.54
  text "Kirmizi file ile tarali olan  malzemeler dizilmeyecektir (NC)." at -73.456,-57.484 h1.52
  text "NOT1" at -81.881,-57.66 h1.52
  text "PBA Rev" at 269.47,-59.186 h1.52
  text "FO Doc.Rev" at 224.876,-59.262 h1.52
  text ".pPBARevision.VariantName" at 276.201,-59.44 h1.52
  text ".pFoRevision" at 234.782,-59.483 h1.52
  text "FO Tarih/Date" at 224.876,-61.739 h1.52
  text "Scale" at 270.613,-61.853 h1.52
  text "Yapilmasi gereken islemlerin detaylari icin MA_PBA_.pProjectCode _.pPBACode _.pPBARevision.VariantName dokumanina bakiniz." at -73.434,-61.929 h1.52
  text ".Print_Scale" at 276.201,-61.98 h1.52
  text "Haz/Prep" at 190.857,-62.005 h1.52
  text ".pFoDate" at 234.793,-62.019 h1.52
  text ".pPreparedBy" at 201.144,-62.107 h1.52
  text "NOT2" at -82.015,-62.234 h1.52
  text "Ortam/Env" at 224.884,-64.257 h1.52
  text ".pDesignEnvironment" at 234.79,-64.384 h1.52
  text "Kont/Check" at 190.857,-64.52 h1.52
  text ".FO_CheckedBy" at 201.144,-64.52 h1.52
  text "Onay/Appr" at 190.857,-67.034 h1.52
  text "SAYFA : .Plot_File_Name" at -82.217,-67.106 h1.52
  text ".FO_ApprovedBy" at 201.144,-67.187 h1.52
  text "1" at -64.633,-75.137 h1.78
  text "2" at -15.594,-75.137 h1.78
  text "3" at 33.665,-75.137 h1.78
  text "4" at 82.958,-75.137 h1.78
  text "5" at 132.234,-75.137 h1.78
  text "6" at 181.256,-75.137 h1.78
  text "7" at 230.786,-75.137 h1.78
  text "8" at 279.808,-75.137 h1.78
Mechanical 28:
  lines w0.042: -83.575,-65.222 25.629,-65.222 ; -83.575,-62.686 25.629,-62.686 ; -83.575,-57.614 -7.399,-57.614 ; -83.575,-52.542 -7.399,-52.542 ; -83.539,-60.15 -40.427,-60.15 25.629,-60.15 ; -59.439,-67.758 -59.439,-57.614 ; -40.427,-67.758 -40.427,-52.542 ; -17.561,-67.758 -17.561,-57.614 ; -7.399,-67.758 -7.399,-47.471 ; 15.467,-67.758 15.467,-60.15 ; 25.629,-47.471 -83.575,-47.471 25.629,-47.471 ; 25.629,-47.471 25.629,-67.758 25.629,-47.471
  lines w0.127: -88.67,-6.303 -83.59,-6.303 ; -88.67,64.182 -83.59,64.182 ; -88.67,134.667 -83.59,134.667 ; -83.59,-67.796 299.95,-67.796 ; -39.394,-76.788 -39.394,-71.708 ; -39.394,200.072 -39.394,205.152 ; 9.882,-76.788 9.882,-71.708 ; 9.882,200.072 9.882,205.152 ; 59.031,-76.788 59.031,-71.708 ; 59.031,200.072 59.031,205.152 ; 108.18,-76.788 108.18,-71.708 ; 108.18,200.072 108.18,205.152 ; 157.456,-76.788 157.456,-71.708 ; 157.456,200.072 157.456,205.152 ; 206.605,-76.788 206.605,-71.708 ; 206.605,200.072 206.605,205.152 ; 255.754,-76.788 255.754,-71.708 ; 255.754,200.072 255.754,205.152 ; 291.568,-55.603 291.593,-55.628 ; 291.568,-46.535 291.593,-46.56 ; 299.95,-6.303 305.03,-6.303 ; 299.95,64.182 305.03,64.182 ; 299.95,134.667 305.03,134.667 ; -88.67,-76.788 -88.67,205.152 305.03,205.152 305.03,-76.788 -88.67,-76.788 ; -83.59,-71.708 -83.59,200.072 299.95,200.072 299.95,-71.708 -83.59,-71.708
  lines w0.254: 291.593,-62.69 291.593,-60.15 299.002,-60.15 299.002,-62.69 291.593,-62.69 ; 291.593,-58.168 291.593,-55.628 299.002,-55.628 299.002,-58.168 291.593,-58.168
  text "8" at -63.448,201.723 h1.78
  text "7" at -14.426,201.723 h1.78
  text "6" at 35.104,201.723 h1.78
  text "5" at 84.126,201.723 h1.78
  text "4" at 133.402,201.723 h1.78
  text "3" at 182.695,201.723 h1.78
  text "2" at 231.954,201.723 h1.78
  text "1" at 280.993,201.723 h1.78
  text "A" at -85.495,167.738 h1.78
  text "A" at 303.125,167.738 h1.78
  text "B" at -85.495,97.126 h1.78
  text "B" at 303.125,97.126 h1.78
  text "C" at -85.495,26.514 h1.78
  text "C" at 303.125,26.514 h1.78
  text "D" at 303.125,-43.59 h1.78
  text "D" at -85.622,-43.641 h1.78
  text ".pPBADescription" at -7.771,-51.439 h3.81
  text ".DocumentName" at -9.422,-55.63 h1.52
  text "FO_.pDocumentNumber _.VariantName" at -40.918,-56.011 h2.54
  text "Kirmizi file ile tarali olan  malzemeler dizilmeyecektir (NC)." at 289.815,-57.484 h1.52
  text "NOT1" at 298.24,-57.66 h1.52
  text "PBA Rev" at -53.11,-59.186 h1.52
  text "FO Doc.Rev" at -8.516,-59.262 h1.52
  text ".pPBARevision.VariantName" at -59.841,-59.44 h1.52
  text ".pFoRevision" at -18.422,-59.483 h1.52
  text "FO Tarih/Date" at -8.516,-61.739 h1.52
  text "Scale" at -54.253,-61.853 h1.52
  text "Yapilmasi gereken islemlerin detaylari icin MA_PBA_.pProjectCode _.pPBACode _.pPBARevision.VariantName dokumanina bakiniz." at 289.794,-61.929 h1.52
  text ".Print_Scale" at -59.841,-61.98 h1.52
  text "Haz/Prep" at 25.503,-62.005 h1.52
  text ".pFoDate" at -18.433,-62.019 h1.52
  text ".pPreparedBy" at 15.216,-62.107 h1.52
  text "NOT2" at 298.374,-62.234 h1.52
  text "Ortam/Env" at -8.525,-64.257 h1.52
  text ".pDesignEnvironment" at -18.431,-64.384 h1.52
  text ".FO_CheckedBy" at 15.216,-64.52 h1.52
  text "Kont/Check" at 25.503,-64.52 h1.52
  text "Onay/Appr" at 25.503,-67.034 h1.52
  text "SAYFA : .Plot_File_Name" at 298.576,-67.106 h1.52
  text ".FO_ApprovedBy" at 15.216,-67.187 h1.52
  text "8" at -63.448,-75.137 h1.78
  text "7" at -14.426,-75.137 h1.78
  text "6" at 35.104,-75.137 h1.78
  text "5" at 84.126,-75.137 h1.78
  text "4" at 133.402,-75.137 h1.78
  text "3" at 182.695,-75.137 h1.78
  text "2" at 231.954,-75.137 h1.78
  text "1" at 280.993,-75.137 h1.78
Mechanical 29:
  rectangle: -80.161,-53.394 -78.129,-51.362
  lines w0.254: -82.643,-53.646 -75.233,-53.646 -75.233,-51.106 -82.643,-51.106 -82.643,-53.646
  text "Turuncu ile tarali alanlar; ecobond uygulanmasi gereken alanlari gostermektedir." at -73.633,-53.801 h1.52
Mechanical 30:
  rectangle: 294.489,-53.394 296.521,-51.362
  lines w0.254: 291.593,-53.646 299.002,-53.646 299.002,-51.106 291.593,-51.106 291.593,-53.646
  text "Turuncu ile tarali alanlar; ecobond uygulanmasi gereken alanlari gostermektedir." at 289.993,-53.801 h1.52
Mechanical 31:
  rectangle: -80.568,-48.772 -77.901,-46.867
  lines w0.127: -75.233,-46.56 -75.208,-46.535
  lines w0.254: -82.643,-49.1 -82.643,-46.56 -75.233,-46.56 -75.233,-49.1 -82.643,-49.1
  text "Mavi ile tarali alanlar; konformal kaplama sirasinda maskeleme uygulanmasi gereken alanlari gostermektedir." at -73.481,-48.645 h1.52
Mechanical 32:
  region: 296.927,-46.867 294.26,-46.867 294.26,-48.772 296.927,-48.772
  lines w0.254: 291.593,-49.1 299.002,-49.1 299.002,-46.56 291.593,-46.56 291.593,-49.1
  text "Mavi ile tarali alanlar; konformal kaplama sirasinda maskeleme uygulanmasi gereken alanlari gostermektedir." at 289.841,-48.645 h1.52
Mechanical 33:
  lines w0.254: -76.003,-38.791 -75.998,-38.786 ; -82.643,-40.056 -82.643,-37.516 -75.233,-37.516 -75.233,-40.056 -82.643,-40.056
  lines w0.508: -81.914,-38.791 -76.003,-38.791
  text "Mor ile gosterilen hatlar; kablo ile atlama uygulanan hatlardir." at -73.506,-39.729 h1.52
Mechanical 34:
  lines w0.254: 292.358,-38.786 292.363,-38.791 ; 291.593,-40.056 291.593,-37.516 299.002,-37.516 299.002,-40.056 291.593,-40.056
  lines w0.508: 292.363,-38.791 298.273,-38.791
  text "Mor ile gösterilen hatlar; kablo ile atlama uygulanan hatlardir." at 290.018,-40.389 h1.52
PinOut (Mech60):
  text "+5V" at 49.49,99.543 h0.4
  text "D-" at 49.778,96.971 h0.4
  text "D+" at 49.809,94.416 h0.4
  text "GND" at 49.571,91.836 h0.4

## Text inside footprints (layer, text, board x,y; h text height)
CON6: Top Overlay "1" at 115.42,111.43 h1.02; Top Overlay "2" at 115.12,113.97 h1.02; Top Overlay "10" at 128.4,114.03 h1.02; Top Overlay "9" at 128.4,111.49 h1.02
CON14: Top Overlay "1" at 15.36,20.7 h1.02; Top Overlay "2" at 15.06,23.24 h1.02; Top Overlay "10" at 28.34,23.3 h1.02; Top Overlay "9" at 28.34,20.76 h1.02
CON15: Top Overlay "1" at 36.36,20.7 h1.02; Top Overlay "2" at 36.06,23.24 h1.02; Top Overlay "10" at 49.34,23.3 h1.02; Top Overlay "9" at 49.34,20.76 h1.02
CON16: Top Overlay "1" at 57.36,20.7 h1.02; Top Overlay "2" at 57.06,23.24 h1.02; Top Overlay "10" at 70.34,23.3 h1.02; Top Overlay "9" at 70.34,20.76 h1.02
CON17: Top Overlay "1" at 78.36,20.7 h1.02; Top Overlay "2" at 78.06,23.24 h1.02; Top Overlay "10" at 91.34,23.3 h1.02; Top Overlay "9" at 91.34,20.76 h1.02
CON18: Top Overlay "1" at 119.36,20.7 h1.02; Top Overlay "2" at 119.06,23.24 h1.02; Top Overlay "10" at 132.34,23.3 h1.02; Top Overlay "9" at 132.34,20.76 h1.02
CON19: Top Overlay "1" at 140.36,20.7 h1.02; Top Overlay "2" at 140.06,23.24 h1.02; Top Overlay "10" at 153.34,23.3 h1.02; Top Overlay "9" at 153.34,20.76 h1.02
CON20: Top Overlay "1" at 161.36,20.7 h1.02; Top Overlay "2" at 161.06,23.24 h1.02; Top Overlay "10" at 174.34,23.3 h1.02; Top Overlay "9" at 174.34,20.76 h1.02
CON21: Top Overlay "1" at 182.36,20.7 h1.02; Top Overlay "2" at 182.06,23.24 h1.02; Top Overlay "10" at 195.34,23.3 h1.02; Top Overlay "9" at 195.34,20.76 h1.02
J1: Top Overlay "1" at 32.575,91.68 h1.02 r90; Top Overlay "8" at 32.575,109.2 h1.02 r90
J2: Top Overlay "1" at 42.325,91.68 h1.02 r90; Top Overlay "10" at 42.325,114.03 h1.02 r90
J3: Top Overlay "1" at 157.61,111.7 h1.02; Top Overlay "8" at 175.27,111.7 h1.02
J4: Top Overlay "1" at 157.61,115.9 h1.02; Top Overlay "8" at 175.27,115.9 h1.02
J14: Top Overlay "22P" at 33.1,131.5 h1.02
J15: Top Overlay "22P" at 52.1,131.5 h1.02